# Allegro board IMC-IO_A-IN_A2.brd (continued)
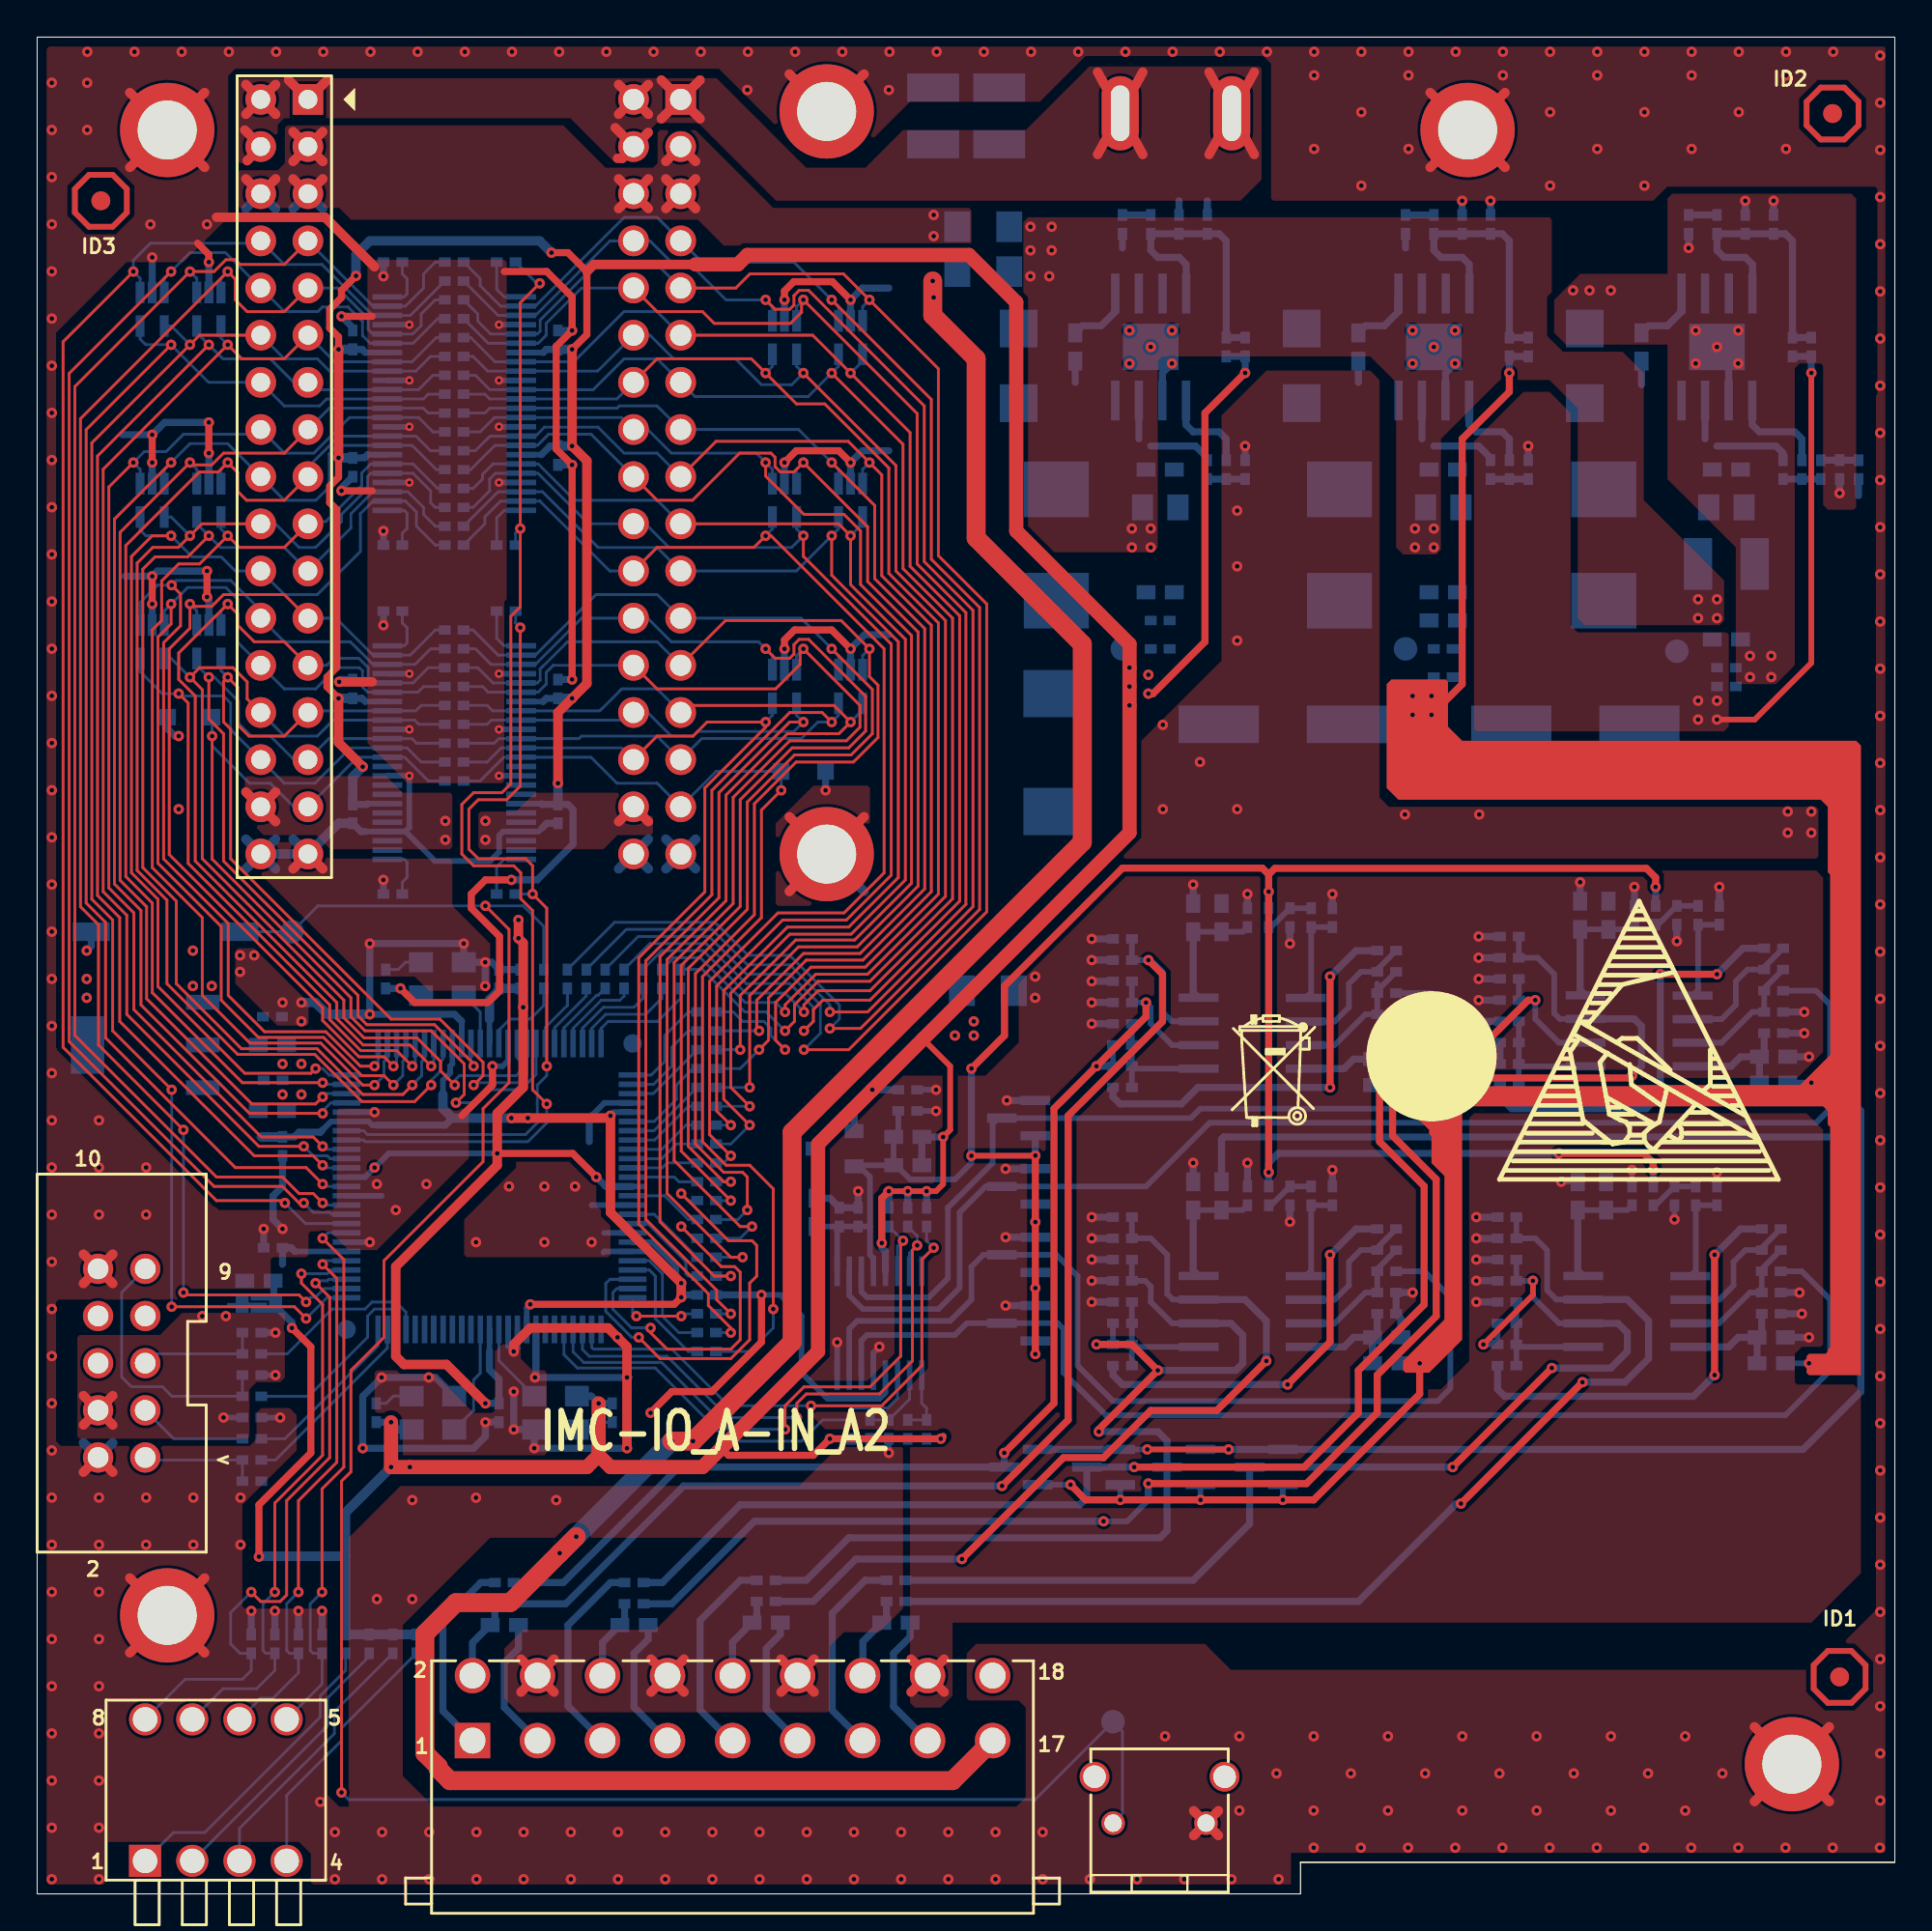
[diagram p0: board, top side]
## Routing (per net, layer and track width the routed paths; a pad name or vN(x,y) marks a point on that pad's centre or on a via; arc(x,y) is an arc through that point) (continued)
VDD_3V3_FPGA: length 65
  TOP w0.381: v1(34.67,32.13) 34.29,31.75 v1(26.54,31.75)
  TOP w0.508: v1(34.67,32.13) v1(34.67,32.89) 30.86,36.7 v1(30.86,41.91) 30.73,41.78 v1(26.42,41.78) v1(25.53,41.78) ; CON1.4 4.07,25.25 ; CON1.4 2.49,25.25 ; CON1.4 2.49,26.83 ; CON1.4 4.07,26.83
  BOTTOM w0.152: SH2.2 10.29,31.75
  BOTTOM w0.305: P1.9 26.35,31.56 v1(26.54,31.75) ; P1.80 31.05,42.1 v1(30.86,41.91) ; C21.1 v1(10.03,25.65) ; v1(34.67,32.89) 34.42,33.15 34.42,33.78 33.1,35.1 P1.94 ; 18.29,41.4 18.03,41.4 17.84,41.6 P1.45 15.82,41.6 15.37,41.15 ; 13.87,34.6 P1.31 ; 12.06,27.94 v1(12.83,27.94) ; 21.84,43.05 21.84,43.81 22.23,44.2 22.23,44.58 22.35,44.7 P1.59
  BOTTOM w0.381: v1(34.67,32.89) v1(34.67,32.13) 34.8,32.26 C16.1 ; 22.35,41.78 21.97,41.4 18.29,41.4 ; C17.1 13.84,40.77 14.1,41.02 15.24,41.02 15.37,41.15 ; 12.06,30.23 v1(12.83,30.23) ; 13.87,34.6 13.67,34.8 C15.1 13.21,33.91
  BOTTOM w0.508: C17.1 12.06,40.77 ; 21.84,43.05 21.84,42.29 22.35,41.78 v1(25.53,41.78) v1(26.42,41.78)
  vias: v1(8.89,31.11) v1(10.16,31.11)
VDD_5V_MAIN: length 5.7
  TOP w0.508: 32.9,57.75 J4.32 31.3,57.75 ; J3.32 12.84,59.35 ; J3.32 12.84,57.75 ; J3.32 11.24,59.35
  vias: v1(21.97,57.78) v1(21.97,56.77) v1(24.13,57.78) v1(24.13,56.77)
VDD_24V: length 41.9
  TOP w0.508: J4.6 32.9,90.77 ; J4.6 32.9,92.37 ; J4.6 31.3,92.37 ; J4.6 31.3,90.77 ; J4.5 35.44,92.37 ; J4.5 33.84,92.37 ; J4.5 35.44,90.77 ; J4.5 33.84,90.77 ; 13.78,94.91 J3.3 ; J3.3 15.38,94.91 ; J3.3 15.38,93.31 ; J3.3 13.78,93.31 ; 12.84,92.37 J3.6 11.24,92.37 ; 33.84,93.31 J4.3 35.44,93.31 ; 15.38,92.37 J3.5 13.78,92.37
  BOTTOM w0.508: J3.3 15.38,93.31 ; J3.3 15.38,94.91 ; J3.3 13.78,94.91 ; J3.3 13.78,93.31 ; 11.24,90.77 J3.6 ; J3.6 11.24,92.37 ; J3.6 12.84,90.77 ; J3.6 12.84,92.37 ; 13.78,90.77 J3.5 ; J3.5 15.38,92.37 ; J3.5 15.38,90.77 ; J3.5 13.78,92.37 ; J4.5 35.44,90.77 ; J4.5 33.84,92.37 ; J4.5 35.44,92.37 ; 35.44,93.31 J4.3 33.84,93.31 ; 31.3,92.37 J4.6 32.9,92.37
  vias: v1(48.26,90.42) v1(48.26,89.28)
VDD_24V_IO: length 134.2
  TOP w1.016: J2.17 49.27,6.1 22.23,6.1 21.59,6.73 21.59,6.86 20.87,7.58 20.87,14.01 22.54,15.68 25.46,15.68 v1(28.13,18.35) v1(29.02,19.24) ; v1(48.21,86.87) 48.21,85.01 50.55,82.68 50.55,73.03 56.26,67.31 56.26,56.64 40.64,41.02 40.64,29.72 v1(35.31,24.38) v1(34.16,24.38)
  BOTTOM w1.016: v1(28.13,18.35) v1(29.02,19.24) v1(34.16,24.38) v1(35.31,24.38)
  vias: v1(48.26,85.98)
VDD_24V_MAIN: length 17.2
  BOTTOM w0.381: 59.94,77.98 62.36,77.98 62.99,77.34 R2.1 ; R160.1 78.23,77.34 77.6,77.98 75.18,77.98 ; U24.7 89.78,78.36 ; R166.1 93.98,77.6 93.6,77.98 90.42,77.98 ; U22.7 74.54,78.36 ; U1.7 59.3,78.36
  vias: v1(53.47,89.79) v1(53.47,88.52) v1(53.47,87.12) v1(54.48,87.12) v1(54.61,89.79) v1(54.61,88.52) v1(58.93,73.53) v1(58.93,72.52) v1(59.94,73.53) v1(59.94,72.52) v1(74.17,73.53) v1(74.17,72.52) v1(75.18,73.53) v1(75.18,72.52) v1(89.41,69.72) v1(89.41,68.71) v1(90.42,69.72) v1(90.42,68.71)
VDD_+12V: length 54.6
  TOP w0.381: v1(75.06,63.5) 76.71,65.15 76.71,78.36 79.25,80.9 v1(79.25,81.92) ; v1(74.42,28.57) 74.42,26.92 68.72,21.22 v1(67.06,21.22) v1(62.62,21.22) v1(58.3,21.22) 56.44,21.22 v1(55.63,22.04)
  BOTTOM w0.305: v1(58.3,21.22) D25.2 ; D29.2 67.06,22.03 v1(67.06,21.22) ; v1(74.68,43.05) 74.68,43.26 74.37,43.56 FB4.2 ; FB10.2 v1(95.38,28.57) ; D23.2 v1(55.63,22.04) ; FB6.2 v1(95.5,43.69) ; D27.2 v1(62.62,21.22) ; FB8.2 v1(74.42,28.57)
  BOTTOM w0.381: v1(79.25,81.92) C66.1 R161.1
  vias: v1(74.04,64.52) v1(74.04,63.5) v1(75.06,64.52)
VDD_-12V: length 105.4
  TOP w0.305: v1(64.14,23.94) v1(59.76,23.94)
  BOTTOM w0.305: v1(59.76,23.94) D25.1
  BOTTOM w0.381: 98.04,42.29 98.17,42.16 98.17,40.77 ; 98.17,40.77 98.17,27.05 95.06,23.94 D29.1 v1(64.14,23.94) D27.1 ; 98.17,40.77 63.88,40.77 63.75,40.64 FB7.2 ; R172.2 v1(97.03,75.44) ; D23.1 D25.1 ; C77.2 v1(91.95,91.19) ; R168.2 v1(93.47,91.19) ; U24.6 91.05,82.68 v1(90.42,83.31) ; R169.2 v1(88.9,88.65)
  vias: v1(82.68,86.36) v1(83.57,86.36) v1(84.71,86.36) v1(89.28,84.2) v1(89.28,82.42) v1(91.57,84.2) v1(91.57,82.42) v1(92.2,66.67) v1(92.2,65.53) v1(93.34,66.67) v1(93.34,65.53)
VIN0+: length 10.8
  BOTTOM w0.381: J2.1 21.84,9.84 21.84,14.73 23.88,16.76 R212.2
VIN1+: length 11
  BOTTOM w0.381: R226.2 30.86,16.76 28.57,14.48 28.57,10.11 J2.5
VIN2+: length 11.2
  BOTTOM w0.381: R240.2 37.85,16.89 35.69,14.73 35.69,9.91 37.34,8.26 J2.9
VIN3+: length 11.2
  BOTTOM w0.381: R254.2 44.58,16.89 42.8,15.11 42.8,9.89 J2.13
1DIR: length 65
  TOP w0.152: v1(27.43,42.55) 26.67,43.31 26.67,52.96 26.04,53.59 26.04,54.99 25.65,55.37 23.5,55.37 22.86,56.01 22.86,58.67 23.5,59.31 25.02,59.31 25.5,59.79 25.5,68.8 26.01,69.31 v1(26.01,73.53) 26.01,85.7 v1(27.05,86.74)
  BOTTOM w0.152: v1(26.01,73.53) 25.75,73.28 R147.1 ; R145.1 26.89,86.74 v1(27.05,86.74) ; v1(27.43,42.55) 27.43,41.53 26.42,40.51 17.65,40.51 17.57,40.6 P1.43
2DIR: length 44.7
  TOP w0.152: v1(26.01,68.2) 26.01,59.66 25.27,58.93 23.75,58.93 23.24,58.42 23.24,56.26 23.75,55.75 26.29,55.75 26.67,55.37 v1(26.67,53.85) 27.43,53.09 v1(27.43,44.58)
  BOTTOM w0.152: v1(26.01,68.2) 25.75,68.45 R140.1 ; R148.1 v1(26.67,53.85) ; v1(27.43,44.58) 27.43,44.07 26.92,43.56 26.92,41.53 26.29,40.89 17.78,40.89 17.57,41.1 P1.44
12MHZ: length 4.4
  BOTTOM w0.152: P1.12 24.85,28.71 OSC1.3
25MHZ: length 6
  BOTTOM w0.152: P1.14 23.85,28.04 23.5,27.69 23.5,26.05 OSC2.3
48MHZ: length 2.9
  BOTTOM w0.152: P1.62 23.85,47.49 OSC3.3
ADC_DRDY: length 32.1
  TOP w0.152: v1(40.26,25.02) 40.26,26.29 41.27,27.3 44.83,27.3 46.48,28.96 46.48,35.05 v1(46.61,35.18)
  BOTTOM w0.152: v1(40.26,25.02) 37.21,25.02 33.6,28.63 29.41,28.63 28.85,29.19 P1.4 ; R204.2 v1(46.61,35.18) 46.31,34.88 U26.14
ADC_RST: length 23.7
  BOTTOM w0.152: U26.3 46.31,26.7 45.78,26.16 43.97,26.16 43.81,26.01 43.81,25.53 42.29,25.53 41.15,24.38 37.21,24.38 33.27,28.32 29.08,28.32 28.35,29.05 P1.5
ADC_SCL: length 30.4
  TOP w0.152: v1(41.66,26.29) 45.47,26.29 47.62,28.45 47.62,34.16 v1(48.26,34.8)
  BOTTOM w0.152: P1.2 29.84,30.39 29.84,29.44 29.95,29.34 34.16,29.34 37.21,26.29 v1(41.66,26.29) ; U26.16 47.61,34.15 v1(48.26,34.8) 47.88,35.18 R201.2
ADC_SDA: length 31.2
  TOP w0.152: v1(40.89,25.65) 40.89,26.42 41.4,26.92 45.34,26.92 47.12,28.7 47.12,34.67 v1(47.37,34.92)
  BOTTOM w0.152: R202.2 47.37,35.43 v1(47.37,34.92) 46.96,34.52 U26.15 ; P1.3 29.35,29.32 29.72,28.96 33.91,28.96 37.21,25.65 v1(40.89,25.65)
AIN0: length 48.3
  BOTTOM w0.305: R216.1 75.06,48.51 75.69,47.88 75.69,42.85 75.13,42.29 62.61,42.29 62.1,41.78 D24.3 51.74,41.78 51.44,41.48 51.44,39.37 49.02,36.96 49.02,33.15 48.01,32.13 44.67,32.13 44.36,32.44 U26.11
AIN1: length 69.7
  BOTTOM w0.305: U26.10 43.71,32.23 44.45,31.5 48.51,31.5 49.66,32.64 49.66,36.7 51.05,38.1 D26.3 59.69,38.1 63.12,41.53 95.76,41.53 96.52,42.29 96.52,47.88 95.76,48.64 R230.1
AIN2: length 52.3
  BOTTOM w0.305: U26.7 43.71,30.43 44.15,30.86 49.15,30.86 50.29,32 50.29,33.78 50.93,34.42 D28.3 54.86,34.42 56.01,33.27 56.01,28.45 57.91,26.54 75.39,26.54 76.07,27.23 76.07,32.13 74.68,33.53 R244.1
AIN3: length 66
  BOTTOM w0.305: R258.1 95,33.53 96.52,32 96.52,28.19 94.11,25.78 57.53,25.78 55.24,28.07 55.24,30.43 54.94,30.73 D30.3 50.04,30.73 49.4,30.1 44.67,30.1 44.36,29.79 44.36,27.94 U26.6
DEV_ADD0: length 34.4
  TOP w0.152: v1(14.99,32.89) 15.75,32.13 15.75,23.5 13.43,21.18 13.43,16.1 13.08,15.75 12.03,15.75 v1(11.52,16.26)
  BOTTOM w0.152: P1.28 15.7,33.1 15.62,33.02 15.11,33.02 v1(14.99,32.89) ; SW2.8 7.97,11.56 11.05,11.56 11.52,12.03 R45.1 10.92,12.95 10.41,13.46 10.41,15.15 v1(11.52,16.26)
DEV_ADD1: length 31.8
  TOP w0.152: v1(14.22,33.4) 14.22,32.89 15.37,31.75 15.37,23.62 12.79,21.05 v1(12.79,16.26)
  BOTTOM w0.152: SW2.7 10,11.05 11.81,11.05 12.79,12.03 R44.1 12.31,12.95 12.16,13.11 12.16,15.62 v1(12.79,16.26) ; P1.29 15.82,33.6 15.62,33.4 v1(14.22,33.4)
DEV_ADD2: length 29.6
  TOP w0.152: v1(14.06,16.26) 14.06,21.18 16.13,23.24 16.13,33.15 v1(15.37,33.91)
  BOTTOM w0.152: SW2.6 12.03,10.54 12.7,10.54 14.06,11.91 R43.1 13.59,12.95 13.43,13.11 13.43,15.62 v1(14.06,16.26) ; P1.30 15.56,34.1 v1(15.37,33.91)
DEV_ADD3: length 29.9
  TOP w0.152: v1(15.37,35.31) 16.51,34.16 16.51,22.99 15.33,21.81 v1(15.33,16.26)
  BOTTOM w0.152: P1.33 15.66,35.6 v1(15.37,35.31) ; SW2.5 15.33,11.3 R42.1 14.85,12.95 14.7,13.11 14.7,15.62 v1(15.33,16.26)
EX_ADD0: length 65.1
  TOP w0.152: J4.26 33.37,64.9 39.75,64.9 41.07,66.22 41.07,66.88 v1(41.25,67.06) 44.29,64.01 44.29,62.84 43.56,62.1 40.51,62.1 37.47,59.05 37.47,53.34 34.29,50.16 34.29,39.5 37.85,35.94 v1(38.48,35.94)
  BOTTOM w0.152: U20.3 40.88,66.69 v1(41.25,67.06) ; R20.2 37.85,35.31 v1(38.48,35.94) ; R153.2 23.97,65.02 24.28,64.72 U8.6 26.97,64.72 27.4,65.15 27.4,65.79 27.78,66.17 J4.26
EX_ADD1: length 61.8
  TOP w0.152: 34.64,63.63 35.02,64.01 42.89,64.01 v1(43.79,63.11) 43.16,62.48 40.39,62.48 37.08,59.18 37.08,53.49 33.91,50.32 33.91,37.72 37.34,34.29 v1(37.97,34.29)
  BOTTOM w0.152: v1(43.79,63.11) 44.44,63.76 U19.4 ; 34.64,63.63 33.37,64.9 31.46,64.9 30.28,63.72 U8.8 24.52,63.72 24.23,64.01 R154.2 ; R22.2 v1(37.97,34.29)
EX_ADD2: length 56.9
  TOP w0.152: v1(41.25,63.11) 40.51,63.11 36.7,59.31 36.7,53.65 33.53,50.48 33.53,36.2 36.45,33.27 v1(37.34,33.27)
  BOTTOM w0.152: R155.2 24.23,62.99 24.45,63.22 U8.9 31.69,63.22 32.1,63.63 32.86,63.63 34.13,62.36 35.31,62.36 35.55,62.6 40.74,62.6 v1(41.25,63.11) 40.88,63.48 U20.4 ; R24.2 v1(37.34,33.27)
EX_ADD3: length 63.3
  TOP w0.152: v1(42.77,63.11) 42.25,63.63 40.51,63.63 36.32,59.44 36.32,53.81 32.77,50.25 32.77,36.32 36.58,32.51 36.58,32 v1(37.34,31.24)
  BOTTOM w0.152: U19.5 43.14,63.48 v1(42.77,63.11) 42.03,63.11 41.15,62.23 35.78,62.23 34.64,61.09 33.37,62.36 29.3,62.36 29.16,62.22 U8.11 24.85,62.22 24.61,61.97 R156.2 ; R26.2 v1(37.34,31.24)
EX_ADD4: length 57.4
  TOP w0.152: v1(37.34,30.23) 37.34,30.48 36.13,31.69 36.13,32.32 32.38,36.07 32.38,50.41 35.94,53.97 35.94,59.56 39.21,62.84 v1(39.21,63.11) 36.06,63.11 35.31,62.36 33.37,62.36 32.1,61.09
  BOTTOM w0.152: 32.1,61.09 31.47,61.72 U8.12 24.99,61.72 24.23,60.96 R157.2 ; U20.5 39.58,63.48 v1(39.21,63.11) ; R28.2 v1(37.34,30.23)
EX_ADD5: length 57.2
  TOP w0.152: v1(39.62,31.5) 39.62,37.97 38.35,39.24 37.08,39.24 35.81,40.51 35.81,49.4 38.99,52.58 38.99,58.37 v1(40.05,59.44)
  BOTTOM w0.152: R30.2 38.35,29.21 39.62,30.48 v1(39.62,31.5) ; v1(40.05,59.44) D19.1 36.55,60.45 J4.31 33.37,59.82 31.21,59.82 29.81,61.22 U8.13 25.12,61.22 23.85,59.94 R158.2
EX_CS: length 61.7
  TOP w0.152: v1(37.34,38.35) 36.96,38.35 35.05,40.26 35.05,49.85 38.23,53.02 38.23,58.8 40.77,61.34 43.81,61.34 44.96,62.48 44.96,64.87 v1(42.77,67.06)
  BOTTOM w0.152: U19.1 43.14,66.69 v1(42.77,67.06) 41.12,68.71 J4.23 33.37,69.98 30.08,69.98 26.82,66.72 U8.2 24.82,66.72 23.47,68.07 R150.2 ; R17.2 v1(37.34,38.35)
EX_DATA0: length 92
  TOP w0.152: v1(42.67,46.61) 44.32,46.61 50.73,53.02 50.73,69.28 48.13,71.88 48.13,80.49 v1(42.77,85.85)
  BOTTOM w0.152: v1(42.67,46.61) 43.18,47.12 43.18,47.88 40.51,50.55 38.26,50.55 36.49,52.32 31.08,52.32 R21.2 ; R126.2 23.85,86.99 23.85,86.61 24.95,85.51 U7.2 26.82,85.51 31.61,90.3 33.37,90.3 J4.7 35.78,87.88 40.74,87.88 v1(42.77,85.85) 43.14,85.49 U11.1
EX_DATA1: length 87.5
  TOP w0.152: v1(42.67,47.5) 44.7,47.5 50.38,53.17 50.38,69.13 47.75,71.75 47.75,80.14 41.53,86.36 41.02,86.36 40.74,86.08 40.74,85.57 40.51,85.34 39.72,85.34 v1(39.21,85.85)
  BOTTOM w0.152: U12.1 39.58,85.49 v1(39.21,85.85) 37.08,85.85 35.18,87.76 34.26,87.76 32.99,89.03 J4.8 30.84,89.03 26.82,85.01 U7.3 24.81,85.01 R127.2 ; R23.2 31.72,51.94 36.33,51.94 38.23,50.04 40.51,50.04 42.67,47.88 v1(42.67,47.5)
EX_DATA2: length 92.6
  TOP w0.152: J4.9 37.61,86.49 38.37,87.25 43.4,87.25 v1(44.8,85.85) 48.51,82.14 48.51,72.07 51.12,69.47 51.12,52.89 43.69,45.47 v1(41.27,45.47)
  BOTTOM w0.152: R128.2 23.72,85.09 23.72,84.71 24.41,84.01 U7.5 26.93,84.01 27.08,84.17 27.08,84.77 30.07,87.76 33.37,87.76 J4.9 ; R25.2 32.35,51.56 36.17,51.56 38.2,49.53 40.51,49.53 42.16,47.88 42.16,46.35 v1(41.27,45.47) ; v1(44.8,85.85) 44.44,85.49 U11.3
EX_DATA3: length 85.1
  TOP w0.152: v1(41.27,46.48) 41.78,46.99 41.78,47.62 42.29,48.13 44.83,48.13 49.99,53.3 49.99,69 47.37,71.63 47.37,79.73 v1(41.25,85.85) 41.15,85.75 41.15,85.18 40.55,84.58 36.45,84.58 35.81,85.22 33.37,85.22 J4.10
  BOTTOM w0.152: J4.10 29.3,86.49 27.4,84.58 27.4,83.95 26.97,83.51 U7.6 24.28,83.51 R129.2 ; v1(41.27,46.48) 41.78,46.99 41.78,47.75 40.51,49.02 38.17,49.02 36.01,51.18 32.99,51.18 R27.2 ; U12.3 40.88,85.49 v1(41.25,85.85)
EX_DATA4: length 77.5
  TOP w0.152: v1(41.27,47.5) 41.27,47.88 42.04,48.64 44.83,48.64 49.66,53.47 49.66,68.83 46.99,71.5 46.99,78.7 v1(43.79,81.91) 41.75,83.95 J4.11
  BOTTOM w0.152: v1(41.27,47.5) 40.26,48.51 38.14,48.51 35.85,50.8 33.62,50.8 R29.2 ; J4.11 33.37,85.22 31.59,85.22 28.89,82.51 U7.8 24.64,82.51 23.34,83.82 R130.2 ; v1(43.79,81.91) 44.44,82.56 U11.4
EX_DATA5: length 72.8
  TOP w0.152: v1(40.26,47.5) 40.26,47.88 41.91,49.53 44.7,49.53 48.9,53.72 48.9,68.58 46.23,71.25 46.23,76.93 v1(41.25,81.91)
  BOTTOM w0.152: R131.2 23.47,82.8 24.26,82.01 U7.9 30.17,82.01 J4.12 32.99,83.95 34.26,82.68 37.59,82.68 38.99,81.28 40.62,81.28 v1(41.25,81.91) 40.88,82.27 U12.4 ; R31.2 34.26,50.42 35.7,50.42 38.11,48.01 39.75,48.01 v1(40.26,47.5)
EX_DATA6: length 73.8
  TOP w0.152: v1(42.77,81.91) 46.61,78.07 46.61,71.37 49.28,68.71 49.28,53.59 44.83,49.15 42.04,49.15 40.77,47.88 40.77,46.99 v1(40.26,46.48)
  BOTTOM w0.152: R32.2 35.81,49.78 38.1,47.5 39.24,47.5 v1(40.26,46.48) ; U11.5 43.14,82.27 v1(42.77,81.91) 41.51,80.64 35.4,80.64 J4.13 33.37,82.68 31.59,82.68 29.93,81.01 U7.11 24.37,81.01 23.59,81.79 R132.2
EX_DATA7: length 70.3
  TOP w0.152: J4.14 33.37,82.68 38.44,82.68 v1(39.21,81.91) 40.88,80.25 42.4,80.25 45.85,76.8 45.85,71.12 48.51,68.45 48.51,53.85 44.58,49.91 41.66,49.91 39.75,48.01 39.75,45.97 v1(40.26,45.47)
  BOTTOM w0.152: R133.2 24.1,80.77 24.36,80.51 U7.12 31.21,80.51 J4.14 ; R33.2 37.47,47.5 37.97,46.99 39.12,46.99 39.5,46.61 39.5,46.23 v1(40.26,45.47) ; U12.5 39.58,82.27 v1(39.21,81.91)
EX_DATA8: length 63.1
  TOP w0.152: v1(38.86,46.48) 38.73,46.61 38.73,48.13 41.25,50.65 44.3,50.65 47.78,54.13 47.78,68.14 45.09,70.84 45.09,74.77 v1(42.77,77.09)
  BOTTOM w0.152: R34.2 v1(38.86,46.48) ; U15.1 43.14,76.72 v1(42.77,77.09) 40.99,78.87 J4.15 33.37,80.14 31.34,80.14 31.21,80.01 U7.13 24.36,80.01 24.1,79.75 R135.2
EX_DATA9: length 62
  TOP w0.152: v1(37.85,45.47) 37.85,48.39 40.83,51.37 44.01,51.37 47.07,54.43 47.07,67.78 44.32,70.52 44.32,73.41 43.43,74.3 41.27,74.3 39.21,76.36 v1(39.21,77.09)
  BOTTOM w0.152: R10.2 v1(37.85,45.47) ; R136.2 23.85,78.74 24.62,79.51 U7.14 31.46,79.51 J4.16 32.86,78.87 34.13,77.6 38.71,77.6 v1(39.21,77.09) 39.58,76.72 U16.1
EX_DATA10: length 67.4
  TOP w0.152: v1(38.86,45.47) 39.37,45.97 39.37,48.26 41.4,50.29 44.45,50.29 48.13,53.98 48.13,68.33 45.47,70.99 45.47,76.42 v1(44.8,77.09) 43.66,78.23 36.55,78.23 J4.17
  BOTTOM w0.152: v1(38.86,45.47) 37.85,44.45 R11.2 ; U15.3 44.44,76.72 v1(44.8,77.09) ; R138.2 23.59,77.72 24.38,78.51 U7.16 26.82,78.51 27.3,78.99 30.19,78.99 31.59,77.6 33.37,77.6 J4.17
EX_DATA11: length 67.4
  TOP w0.152: J4.18 33.37,75.06 35.28,75.06 37.82,77.6 39.5,77.6 39.72,77.37 39.72,76.86 40.01,76.58 40.74,76.58 v1(41.25,77.09) 44.7,73.63 44.7,70.68 47.42,67.96 47.42,54.28 44.15,51 40.98,51 38.35,48.38 v1(38.35,43.43)
  BOTTOM w0.152: v1(41.25,77.09) 40.88,76.72 U16.3 ; R142.2 23.33,76.71 24.64,78.01 U7.17 26.93,78.01 27.53,78.61 29.82,78.61 J4.18 ; R12.2 v1(38.35,43.43)
EX_DATA12: length 64.4
  TOP w0.152: v1(38.35,42.42) 37.34,43.43 37.34,48.51 40.51,51.69 43.81,51.69 46.74,54.61 46.74,67.56 43.79,70.51 v1(43.79,73.14) 43.14,73.79 34.64,73.79
  BOTTOM w0.152: v1(43.79,73.14) 44.44,73.79 U15.4 ; R143.2 23.47,75.69 23.97,76.2 23.97,76.45 24.53,77.01 U7.19 26.97,77.01 28.92,75.06 33.37,75.06 34.64,73.79 ; v1(38.35,42.42) R13.2
EX_DATA13: length 63.2
  TOP w0.152: v1(37.34,41.4) 36.58,42.16 36.58,48.9 40.13,52.45 43.56,52.45 45.97,54.86 45.97,67.31 41.25,72.04 v1(41.25,73.14)
  BOTTOM w0.152: U16.4 40.88,73.51 v1(41.25,73.14) 40.62,72.52 34.01,72.52 32.74,73.79 29.69,73.79 26.96,76.51 U7.20 24.67,76.51 24.35,76.2 24.35,75.56 23.47,74.67 R144.2 ; R14.2 v1(37.34,41.4)
EX_DATA14: length 66.2
  TOP w0.152: v1(38.35,41.4) 36.96,42.8 36.96,48.64 40.39,52.07 43.69,52.07 46.35,54.74 46.35,67.44 42.77,71.02 v1(42.77,73.14)
  BOTTOM w0.152: R146.2 24.81,75.51 U7.22 27.2,75.51 30.19,72.52 33.37,72.52 J4.21 40.87,71.25 v1(42.77,73.14) 43.14,73.51 U15.5 ; R15.2 37.34,40.39 v1(38.35,41.4)
EX_DATA15: length 64.6
  TOP w0.152: J4.22 33.37,72.52 38.59,72.52 v1(39.21,73.14) 39.5,73.14 45.59,67.06 45.59,54.99 43.43,52.83 39.88,52.83 36.2,49.15 36.2,40.89 v1(37.34,39.75)
  BOTTOM w0.152: R149.2 24.1,73.78 24.1,74.16 24.95,75.01 U7.23 27.06,75.01 30.83,71.25 J4.22 ; v1(39.21,73.14) 39.58,73.51 U16.5 ; v1(37.34,39.75) 36.96,39.37 R16.2
EX_RD: length 62.1
  TOP w0.152: v1(39.21,67.06) 39.72,66.55 40.51,66.55 40.74,66.77 40.74,67.28 41.02,67.56 41.53,67.56 44.6,64.49 44.6,62.63 43.69,61.72 40.64,61.72 37.85,58.93 37.85,53.18 34.67,50 34.67,40.01 v1(37.34,37.34)
  BOTTOM w0.152: R151.2 23.59,67.05 24.43,66.22 U8.3 26.82,66.22 29.31,68.71 J4.24 32.86,68.71 34.13,67.44 38.83,67.44 v1(39.21,67.06) 39.58,66.69 U20.1 ; R18.2 v1(37.34,37.34)
EX_WR: length 66.8
  TOP w0.152: J4.25 37.05,68.58 43.28,68.58 v1(44.8,67.06) 44.8,65.56 45.26,65.1 45.26,62.28 43.94,60.96 40.86,60.96 38.61,58.71 38.61,52.74 35.43,49.56 35.43,40.39 36.96,38.86 37.97,38.86 38.23,38.61 v1(38.23,36.83)
  BOTTOM w0.152: R19.2 37.72,36.32 v1(38.23,36.83) ; U19.3 44.44,66.69 v1(44.8,67.06) ; R152.2 23.72,66.04 24.54,65.22 U8.5 26.93,65.22 27.08,65.37 27.08,65.97 28.54,67.44 33.37,67.44 J4.25
F_EX_ADD0: length 58.4
  TOP w0.152: v1(19.18,43.56) 18.67,44.07 17.47,44.07 15.42,46.13 11.91,46.13 9.91,48.13 9.91,52.1 6.5,55.51 6.5,67.69 7.21,68.4 v1(7.21,69.47)
  BOTTOM w0.152: P1.54 19.85,45 19.68,44.83 19.68,44.07 v1(19.18,43.56) ; R153.1 20.8,65.02 20.49,64.72 U8.43 17.8,64.72 17.52,65 17.52,65.87 17.34,66.04 16.14,66.04 15,64.9 13.31,64.9 J3.26 10.79,67.41 10.79,69.72 10.16,70.36 8.1,70.36 v1(7.21,69.47) 6.84,69.1 U18.3
F_EX_ADD1: length 50.4
  TOP w0.152: v1(23.5,43.56) 24,44.07 24,44.79 21.67,47.12 19.05,47.12 10.41,55.75 10.41,62.74 10.03,63.12 10.03,65.3 v1(10.26,65.52) 10.79,64.99 10.79,62.96 11.4,62.36 13.31,62.36 J3.27
  BOTTOM w0.152: v1(10.26,65.52) 9.89,65.89 U17.4 ; P1.67 26.35,44.13 25.91,43.69 23.62,43.69 v1(23.5,43.56) ; J3.27 14.67,63.72 U8.41 20.38,63.72 20.67,64.01 R154.1
F_EX_ADD2: length 53.4
  TOP w0.152: v1(22.48,43.56) 21.72,44.32 21.72,44.83 20.45,46.1 17.6,46.1 16.51,47.19 16.51,48.13 8.89,55.75 8.89,64.86 v1(8.23,65.52) 8.74,66.04 10.54,66.04 11.3,65.28 11.3,64.36 J3.28
  BOTTOM w0.152: U18.4 7.21,66.54 v1(8.23,65.52) ; v1(22.48,43.56) 22.48,43.81 22.73,44.07 25.78,44.07 26.04,44.32 26.04,44.83 25.85,45.01 P1.66 ; R155.1 20.54,62.99 20.32,63.22 U8.40 15.94,63.22 15.08,62.36 13.31,62.36 J3.28
F_EX_ADD3: length 47.3
  TOP w0.152: v1(9.24,65.52) 9.24,63.28 10.03,62.48 10.03,55.63 17.27,48.39 17.27,47.29 17.75,46.81 21.39,46.81 23.5,44.7 v1(23.5,44.58)
  BOTTOM w0.152: P1.61 23.35,44.72 v1(23.5,44.58) ; U17.5 8.59,66.17 v1(9.24,65.52) 9.54,65.52 10.84,64.22 10.84,63.04 11.53,62.36 12.54,62.36 13.81,61.09 J3.29 15.71,62.22 U8.38 20.18,62.22 20.42,61.97 R156.1
F_EX_ADD4: length 49.2
  TOP w0.152: v1(7.62,64.64) 8.13,64.14 8.13,55.5 15.75,47.88 15.75,47.09 17.42,45.42 19.35,45.42 v1(20.19,44.58)
  BOTTOM w0.152: v1(20.19,44.58) 20.35,44.74 P1.55 ; U18.5 5.54,65.83 6.73,64.64 v1(7.62,64.64) 7.75,64.52 10.03,64.52 10.41,64.14 10.41,62.71 J3.30 13.31,59.82 14.95,59.82 16.85,61.72 U8.37 19.91,61.72 20.67,60.96 R157.1
F_EX_ADD5: length 51.3
  TOP w0.152: v1(22.54,42.61) 22.99,43.05 22.99,44.7 21.21,46.48 17.65,46.48 16.89,47.24 16.89,48.26 9.42,55.73 v1(9.42,62.36)
  BOTTOM w0.152: D18.1 v1(9.42,62.36) 9.42,61.83 11.43,59.82 12.54,59.82 13.81,58.55 J3.31 17.25,61.22 U8.36 19.78,61.22 21.05,59.94 R158.1 ; P1.68 26.85,44.12 26.04,43.31 24.26,43.31 23.56,42.61 v1(22.54,42.61)
F_EX_CS: length 49.7
  TOP w0.152: v1(19.18,44.58) 18.67,45.09 17.32,45.09 15.37,47.04 15.37,47.72 7.11,55.98 7.11,67.06 8.23,68.17 v1(8.23,69.47) 8.35,69.34 9.4,69.34 10.03,69.98 13.31,69.98 J3.23
  BOTTOM w0.152: P1.53 19.35,44.75 v1(19.18,44.58) ; R150.1 21.43,68.07 20.08,66.72 U8.47 18.08,66.72 16.09,68.71 J3.23 ; v1(8.23,69.47) 8.59,69.1 U17.1
F_EX_DATA0: length 80.9
  TOP w0.152: v1(15.37,37.21) 14.86,37.72 14.1,37.72 13.21,38.61 9.65,38.61 2.03,46.23 2.03,81.18 v1(8.23,87.38) 9.53,87.38 10.16,88.01 10.67,88.01 10.92,87.76 13.31,87.76 J3.7
  BOTTOM w0.152: v1(15.37,37.21) 15.48,37.1 P1.36 ; U9.1 8.59,87.01 v1(8.23,87.38) ; J3.7 14.58,89.01 18.08,85.51 U7.47 19.83,85.51 20.8,86.49 20.8,87.25 21.43,87.88 R126.1
F_EX_DATA1: length 84.1
  TOP w0.152: v1(5.18,87.38) 1.4,83.6 1.4,45.59 9.65,37.34 13.21,37.34 v1(13.34,37.21)
  BOTTOM w0.152: v1(13.34,37.21) 14.45,36.1 P1.34 ; U10.1 5.54,87.01 v1(5.18,87.38) 5.18,87.98 6.1,88.9 11.91,88.9 J3.8 13.31,87.76 15.33,87.76 18.08,85.01 U7.46 20.09,85.01 R127.1
F_EX_DATA2: length 87.4
  TOP w0.152: J3.9 13.31,85.22 11.3,85.22 10.67,85.85 10.67,86.97 v1(10.26,87.38) 2.33,79.45 2.33,53.17 3.3,52.2 3.3,45.72 v1(7.87,41.15) ; v1(7.87,32.38) 8,32.26 14.1,32.26 v1(14.48,31.88)
  BOTTOM w0.152: J3.9 16.17,86.49 17.82,84.84 17.82,84.25 18.06,84.01 U7.44 20.23,84.01 20.67,84.45 20.67,85.09 21.43,85.85 R128.1 ; P1.27 15.45,32.6 14.99,32.13 14.73,32.13 v1(14.48,31.88) ; v1(10.26,87.38) 9.89,87.01 U9.3 ; v1(7.87,32.38) v1(7.87,41.15)
F_EX_DATA3: length 82.2
  TOP w0.152: v1(7.21,87.38) 1.72,81.89 1.72,46.61 1.72,45.9 9.53,38.1 13.21,38.1 14.1,37.21 v1(14.35,37.21)
  BOTTOM w0.152: R129.1 21.56,84.83 20.24,83.51 U7.43 17.93,83.51 17.52,83.92 17.52,84.69 16.73,85.47 15.37,85.47 15.11,85.22 13.31,85.22 J3.10 10.13,88.39 8.23,88.39 v1(7.21,87.38) 6.84,87.01 U10.3 ; P1.35 15.87,36.6 15.76,36.7 14.86,36.7 v1(14.35,37.21)
F_EX_DATA4: length 69.2
  TOP w0.152: v1(14.35,40.26) 11.94,40.26 4.83,47.37 4.83,52.71 3.55,53.98 3.55,76.73 v1(10.26,83.43) 11.01,82.68 13.31,82.68 J3.11
  BOTTOM w0.152: U9.4 9.89,83.8 v1(10.26,83.43) ; P1.41 15.77,39.6 15.62,39.75 14.86,39.75 v1(14.35,40.26) ; J3.11 16.01,82.51 U7.41 20.18,82.51 21.49,83.82 R130.1
F_EX_DATA5: length 82.8
  TOP w0.152: v1(14.48,30.99) 13.84,31.62 v1(7.24,31.62) ; v1(7.24,43.31) 4.06,46.48 4.06,52.45 2.94,53.57 2.94,78.15 v1(8.23,83.43) 8.74,83.95 J3.12
  BOTTOM w0.152: v1(8.23,83.43) 7.21,84.44 U10.4 ; R131.1 21.18,82.8 20.39,82.01 U7.40 15.75,82.01 15.08,82.68 13.31,82.68 J3.12 ; v1(14.48,30.99) 15.59,32.1 P1.26 ; v1(7.24,31.62) v1(7.24,43.31)
F_EX_DATA6: length 70.2
  TOP w0.152: v1(15.37,39.24) 14.86,39.75 11.68,39.75 4.45,46.99 4.45,52.58 3.25,53.78 3.25,77.44 v1(9.24,83.43)
  BOTTOM w0.152: U9.5 8.59,84.08 v1(9.24,83.43) 10,82.68 12.54,82.68 13.81,81.41 J3.13 14.97,81.01 U7.38 20.53,81.01 21.31,81.79 R132.1 ; P1.40 15.51,39.1 v1(15.37,39.24)
F_EX_DATA7: length 74.8
  TOP w0.152: v1(15.37,38.23) 14.48,39.12 10.67,39.12 3.68,46.1 3.68,52.32 2.64,53.37 2.64,78.86 v1(7.21,83.43)
  BOTTOM w0.152: U10.5 5.54,83.74 5.84,83.44 7.2,83.44 v1(7.21,83.43) 9.23,81.41 J3.14 13.31,80.14 15.21,80.14 15.58,80.51 U7.37 20.79,80.51 21.05,80.77 R133.1 ; P1.38 15.49,38.1 v1(15.37,38.23)
F_EX_DATA8: length 60.8
  TOP w0.152: v1(15.37,42.93) 14.99,42.55 11.56,42.55 5.89,48.21 5.89,53.16 4.47,54.59 4.47,73.33 v1(8.23,77.09) 8.35,76.96 9.4,76.96 10.03,77.6 13.31,77.6 J3.15
  BOTTOM w0.152: J3.15 15.72,80.01 U7.36 20.79,80.01 21.05,79.75 R135.1 ; v1(15.37,42.93) 15.37,42.95 15.52,43.1 P1.48 ; U13.1 8.59,76.72 v1(8.23,77.09)
F_EX_DATA9: length 65.6
  TOP w0.152: v1(5.18,77.09) 3.86,75.77 3.86,54.18 5.21,52.83 5.21,47.62 12.06,40.77 14.86,40.77 v1(15.37,40.26)
  BOTTOM w0.152: U14.1 5.54,76.72 v1(5.18,77.09) 5.76,77.68 6.94,77.68 7.87,78.61 11.78,78.61 J3.16 13.31,77.6 14.9,77.6 16.81,79.51 U7.35 20.53,79.51 21.31,78.74 R136.1 ; P1.42 15.53,40.1 v1(15.37,40.26)
F_EX_DATA10: length 61
  TOP w0.152: J3.17 13.31,75.06 11.27,75.06 10.79,75.54 10.79,76.55 v1(10.26,77.09) 9.75,76.58 8.73,76.58 4.77,72.62 4.77,54.79 6.2,53.37 6.2,48.54 11.05,43.69 v1(15.37,43.69)
  BOTTOM w0.152: P1.49 15.45,43.6 v1(15.37,43.69) ; J3.17 14.58,76.84 16.24,78.51 U7.33 20.39,78.51 21.18,77.72 R138.1 ; v1(10.26,77.09) 9.89,76.72 U13.3
F_EX_DATA11: length 65.4
  TOP w0.152: v1(15.37,42.04) 11.43,42.04 5.59,47.88 5.59,52.96 4.16,54.39 4.16,74.04 v1(7.21,77.09)
  BOTTOM w0.152: R142.1 21.49,76.71 20.18,78.01 U7.32 16.18,78.01 15.72,77.55 15.72,75.77 15,75.06 13.31,75.06 J3.18 10.26,78.11 8.23,78.11 v1(7.21,77.09) 6.84,76.72 U14.3 ; P1.47 15.8,42.6 15.37,42.16 v1(15.37,42.04)
F_EX_DATA12: length 57.9
  TOP w0.152: J3.19 13.31,72.52 10.89,72.52 v1(10.26,73.14) 8.74,71.63 7.62,71.63 6.7,70.71 6.7,68.58 6.2,68.08 6.2,55.27 8.89,52.58 8.89,48.39 11.46,45.82 15.27,45.82 17.53,43.56 v1(18.16,43.56)